# Altium PCB rev1_16mil.PcbDoc
Units mil, origin at the board's own origin, x right, y up, seen from the top; angles counter-clockwise.
Board outline 820 x 1450 mil, 2 copper layers (Top Layer, Bottom Layer); 9 components, 10 nets, 43 pads, 2 vias.
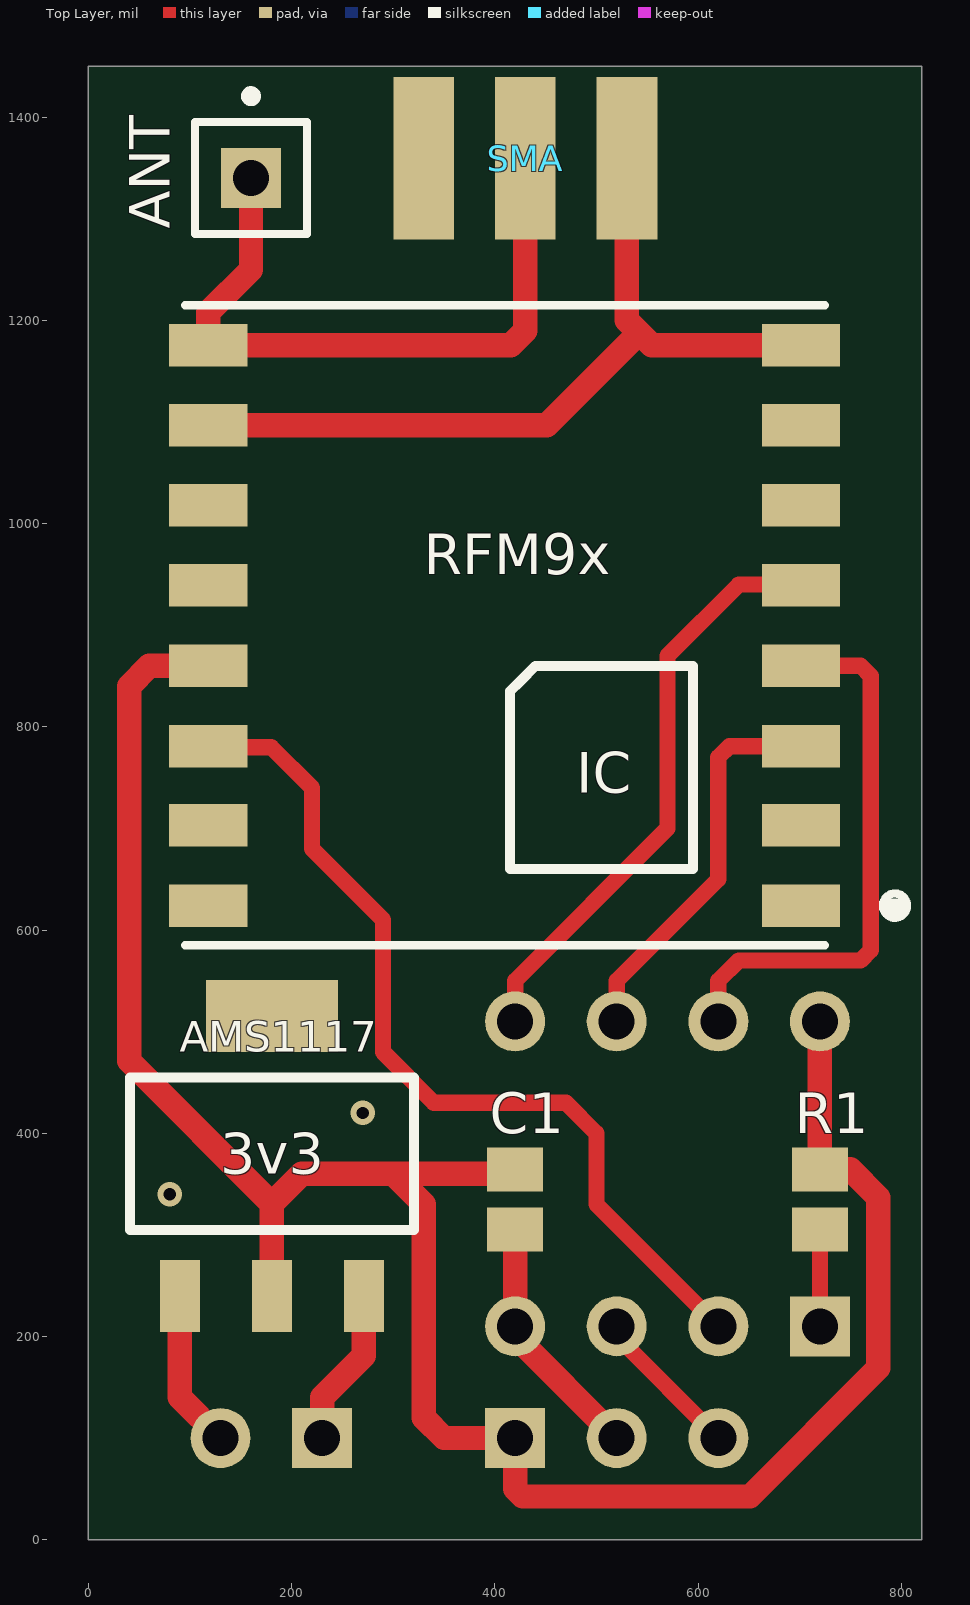
[diagram p0: Top Layer view]
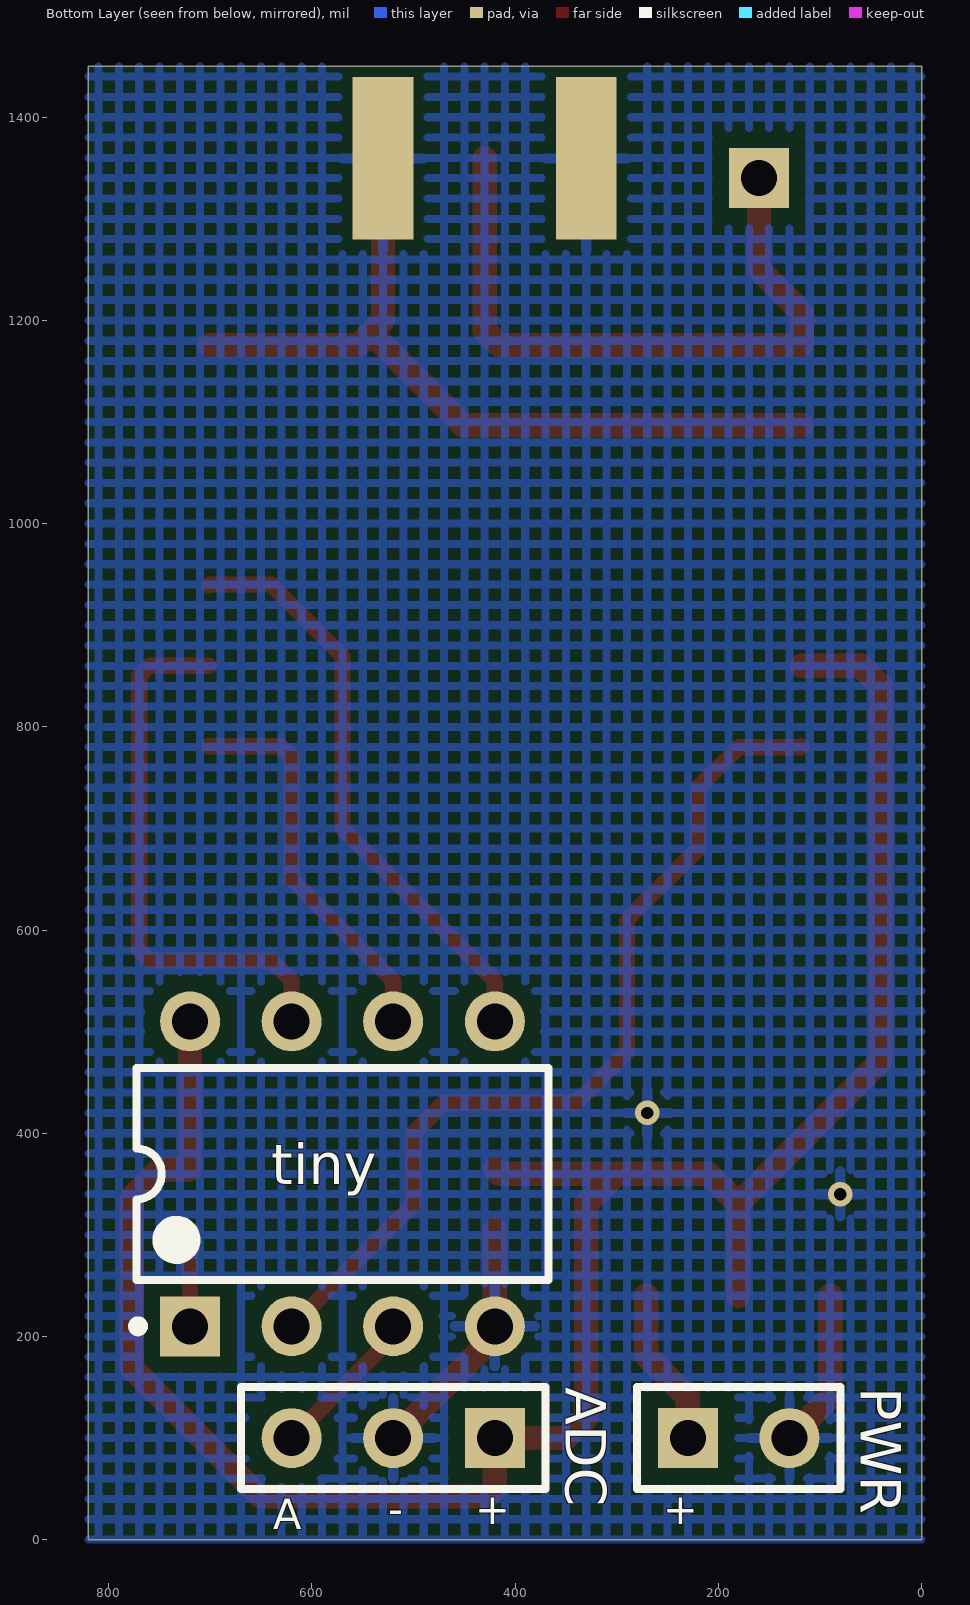
[diagram p1: Bottom Layer view, seen from below]

## Layer stack, top to bottom
Top Solder: solder mask 0.4, Solder Resist, Dk 3.5
Top Layer: signal copper 1.4
Dielectric 1: dielectric 12.6, FR-4, Dk 4.8
Bottom Layer: signal copper 1.4
Bottom Solder: solder mask 0.4, Solder Resist, Dk 3.5

## Board outline
0,0 0,1450 820,1450 820,0

## Design rules (kind name [scope] priority, off if disabled: settings)
Clearance [All] p1: gap=16
PolygonConnect [All] p1: connectstyle=Relief reliefconductorwidth=10 reliefentries=4 polygonreliefangle="90 Angle" airgapwidth=10
RoutingLayers [All] p1: top layer_v5=TRUE bottom layer_v5=FALSE
RoutingVias [All] p1: holewidth=28 width=50 viastyle="Through Hole" minholewidth=28 minwidth=50 maxholewidth=28 maxwidth=50
SolderMaskExpansion [All] p1: expansion=4
Width VIN [InNet('VIN')] p1: maxlimit=24 minlimit=24 preferedwidth=24
Width VCC [(InNet('GND') OR InNet('VCC') OR InNet('NetANT_1') OR InNet('NetADC_2'))] p2: maxlimit=24 minlimit=24 preferedwidth=24
Width [All] p3: maxlimit=16 minlimit=16 preferedwidth=16
29 further rules are at their usual default settings.

## Components (designator, comment, footprint, x,y, rotation, side; value= is the part's Value field where it differs from the comment)
3v3 "AMS1117-3.3" SOT-223 90,240 r0 top
ADC "" HDR1X3 420,100 r0 bottom
ANT "" PIN1 160,1340 r0 top
C1 "10uF" C0805 420,335 r270 top
PWR "" HDR1X2 230,100 r180 bottom
R1 "10k" C0805 720,335 r270 top
RFM9x "" XCVR_RFM95W-868S2 410,900 r180 top
SMA "" "LINX CONREVSMA003.062" 430,1450 r90 top
tiny "ATtiny85-20PU" 8P3 570,360 r90 bottom

## Footprints (in the part's own frame and the unit in brackets; to place one, negate y for a bottom-side part, rotate by r counter-clockwise, add the part's x,y. Pads: shape width x height; smd on the part's side, far side on the other; paste and mask are expansions set on the pad)
8P3 [mm] "DIP, 8-Pin, Row Spacing 7.62 mm, Pitch 2.54 mm"
  rect 1.5x1.5 hole 0.9: 1(-3.81,3.81)
  round 1.5 hole 0.9: 2(-3.81,1.27) 3(-3.81,-1.27) 4(-3.81,-3.81) 5(3.81,-3.81) 6(3.81,-1.27) 7(3.81,1.27) 8(3.81,3.81)
  silkscreen extent -3.93,-5.15 2.65,5.24, body extent -3.6,-5.15 3.6,5.15, height 5.34
C0805 [mm]
  rect 1.1x1.4 smd: 1(-0.75,0) 2(0.75,0)
  body extent -1.1,-0.72 1.1,0.72, height 1.4
HDR1X2 [mm] "Connector; Header; 2 Position"
  rect 1.5x1.5 hole 0.9: 1(0,0)
  round 1.5 hole 0.9: 2(2.54,0)
  silkscreen extent -1.27,-1.27 3.81,1.27
HDR1X3 [mm] "Connector; Header; 3 Position"
  rect 1.5x1.5 hole 0.9: 1(0,0)
  round 1.5 hole 0.9: 2(2.54,0) 3(5.08,0)
  silkscreen extent -1.27,-1.27 6.35,1.27
"LINX CONREVSMA003.062" [mm] "RP-SMA FEMALE EDGE MOUNT FOR 0.062\" THICK BOARD"
  rect 4.06x1.52 smd: G(-2.3,-2.54) G(-2.3,2.54) S(-2.3,0)
  rect 4.06x1.52 smd far side: G(-2.3,-2.54) G(-2.3,2.54)
  body extent -3.9,-3.97 7.86,3.96, height 4.61
PIN1 [mm] "Generic Antenna; 1 Lead"
  rect 1.5x1.5 hole 0.9: 1(0,0)
  silkscreen extent -1.4,-1.4 1.4,2.17
SOT-223 [mm]
  rect 3.3x1.8 smd: 0(2.3,7)
  rect 1x1.8 smd: 1(0,0) 2(2.3,0) 3(4.6,0)
  silkscreen extent -1.25,1.64 5.85,5.45
XCVR_RFM95W-868S2 [mil]
  rect 77x42 smd: 1(-291.34,276) 2(-291.34,197) 3(-291.34,119) 4(-291.34,40) 5(-291.34,-39.37) 6(-291.34,-118.11) 7(-291.34,-196.85) 8(-291.34,-275.59) 9(292,-275.59) 10(292,-196.85) 11(292,-118.11) 12(292,-39.37) 13(292,40) 14(292,119) 15(292,197) 16(292,276)
  silkscreen extent -396,-315 315,315, body extent -315,-313 315,313, height 88

## Part data
3v3: "3.3V  3-Terminal Adjustable Positive Voltage Regulator"
ADC: library part "Header 3", "Header, 3-Pin"
ANT: library part Antenna, "Generic Antenna"
C1: library part "Cap Pol3", "Polarized Capacitor (Surface Mount)"
PWR: library part "Header 2", "Header, 2-Pin"
R1: library part Res3, "Resistor"
RFM9x: library part RFM95W-868S2
SMA: library part "RF Connector - SMA"
tiny: "8-bit AVR Microcontroller, 20MHz, 2.7-5.5V, 8K Flash, 512 Bytes EEPROM, 512 Bytes SRAM, Industrial Grade (-40°C to 85°C), 8-Lead PDIP, Pb-Free"

## Via types
v1: diameter 24, hole 12, Top Layer to Bottom Layer, 2 vias

## Nets (pads, with @x,y where several pads share a name; then routed paths per layer and width w, separated by ;. In a path a pad name is that pad's centre, name@x,y a point inside that pad or via, vN(x,y) a via of type N, cw(c..) or ccw(c..) an arc to the next point about the centre after c; other vN are vias at no path point)
GND: 3v3.1 ADC.2 C1.2 PWR.2 RFM9x.8 RFM9x.10 SMA.G tiny.4 | length 1206.2
  Top Layer w24: 3v3.1 90,140 PWR.2 ; RFM9x.10 451.26,1096.85 542.21,1187.8 ; C1.2 tiny.4 420,200 ADC.2 ; SMA.G@530,1359.45 530,1200 542.21,1187.8 ; RFM9x.8 554.41,1175.59 542.21,1187.8
  other v1: 80,340 270,420
NetADC_3: ADC.3 tiny.3 | length 151.4
  Top Layer w16: tiny.3 520,200 ADC.3
NetANT_1: ANT.1 RFM9x.9 SMA.S | length 669.2
  Top Layer w24: ANT.1 160,1250 118,1208 RFM9x.9 415.59,1175.59 430,1190 SMA.S
NetR1_2: R1.2 tiny.1 | length 95.5
  Top Layer w16: tiny.1 R1.2
NetRFM9x_3: RFM9x.3 tiny.6 | length 387.3
  Top Layer w16: tiny.6 520,550 620,650 620,770 631,781 RFM9x.3
NetRFM9x_4: RFM9x.4 tiny.7 | length 545.2
  Top Layer w16: tiny.7 620,550 640,570 760,570 770,580 770,850 760,860 RFM9x.4
NetRFM9x_5: RFM9x.5 tiny.5 | length 582.7
  Top Layer w16: tiny.5 420,550 570,700 570,870 640,940 700.71,940 RFM9x.5
NetRFM9x_14: RFM9x.14 tiny.2 | length 890.8
  Top Layer w16: RFM9x.14 119,780 180,780 220,740 220,680 290,610 290,480 340,430 360,430 470,430 500,400 500,330 tiny.2
VCC: 3v3.2 ADC.1 C1.1 R1.1 RFM9x.13 tiny.8 | length 2194.1
  Top Layer w24: RFM9x.13 60,860 40,840 40,471.1 180.55,330.55 ; 3v3.2 180.55,330.55 ; C1.1 415.47,360 300,360 ; tiny.8 R1.1 749.76,364.53 777.53,336.76 777.53,168.87 651.13,42.47 427.53,42.47 420,50 ADC.1 350,100 330,120 330,330 300,360 ; 180.55,330.55 210,360 300,360
VIN: 3v3.3 PWR.1 | length 157
  Top Layer w24: PWR.1 230,140 271.1,181.1 3v3.3
pads on no net: 3v3.0 RFM9x.1 RFM9x.2 RFM9x.6 RFM9x.7 RFM9x.11 RFM9x.12 RFM9x.15 RFM9x.16

## Polygon pours and split planes (outlines as drawn)
GND on Mechanical 13 "GND" (solid, remove dead copper): 0,1450 820,1450 820,0 0,0
GND on Bottom Layer "GND" (hatched 90Degree grid 20 track 8, remove dead copper, pour order 9): 0,1450 820,1450 820,0 0,0

## Silkscreen, mask and mechanical layers (free items; w line width, h text height)
Top Overlay:
  text "AMS1117" at 90,480 h30
Bottom Overlay:
  text "+" at 220,15 h30
  text "+" at 405,15 h30
  text "-" at 510,15 h30
  text "A" at 610,10 h30
Mechanical 1:
  the board outline again, w10

## Dimensions
0,0 to 0,1450 on Mechanical 15
0,0 to 820,0 on Mechanical 15

## Text inside footprints (layer, text, board x,y; h text height)
RFM9x: Top Overlay "IC" at 480,735 h40